# Altium PCB uStepper.PcbDoc (part 1 of 2) (continued)
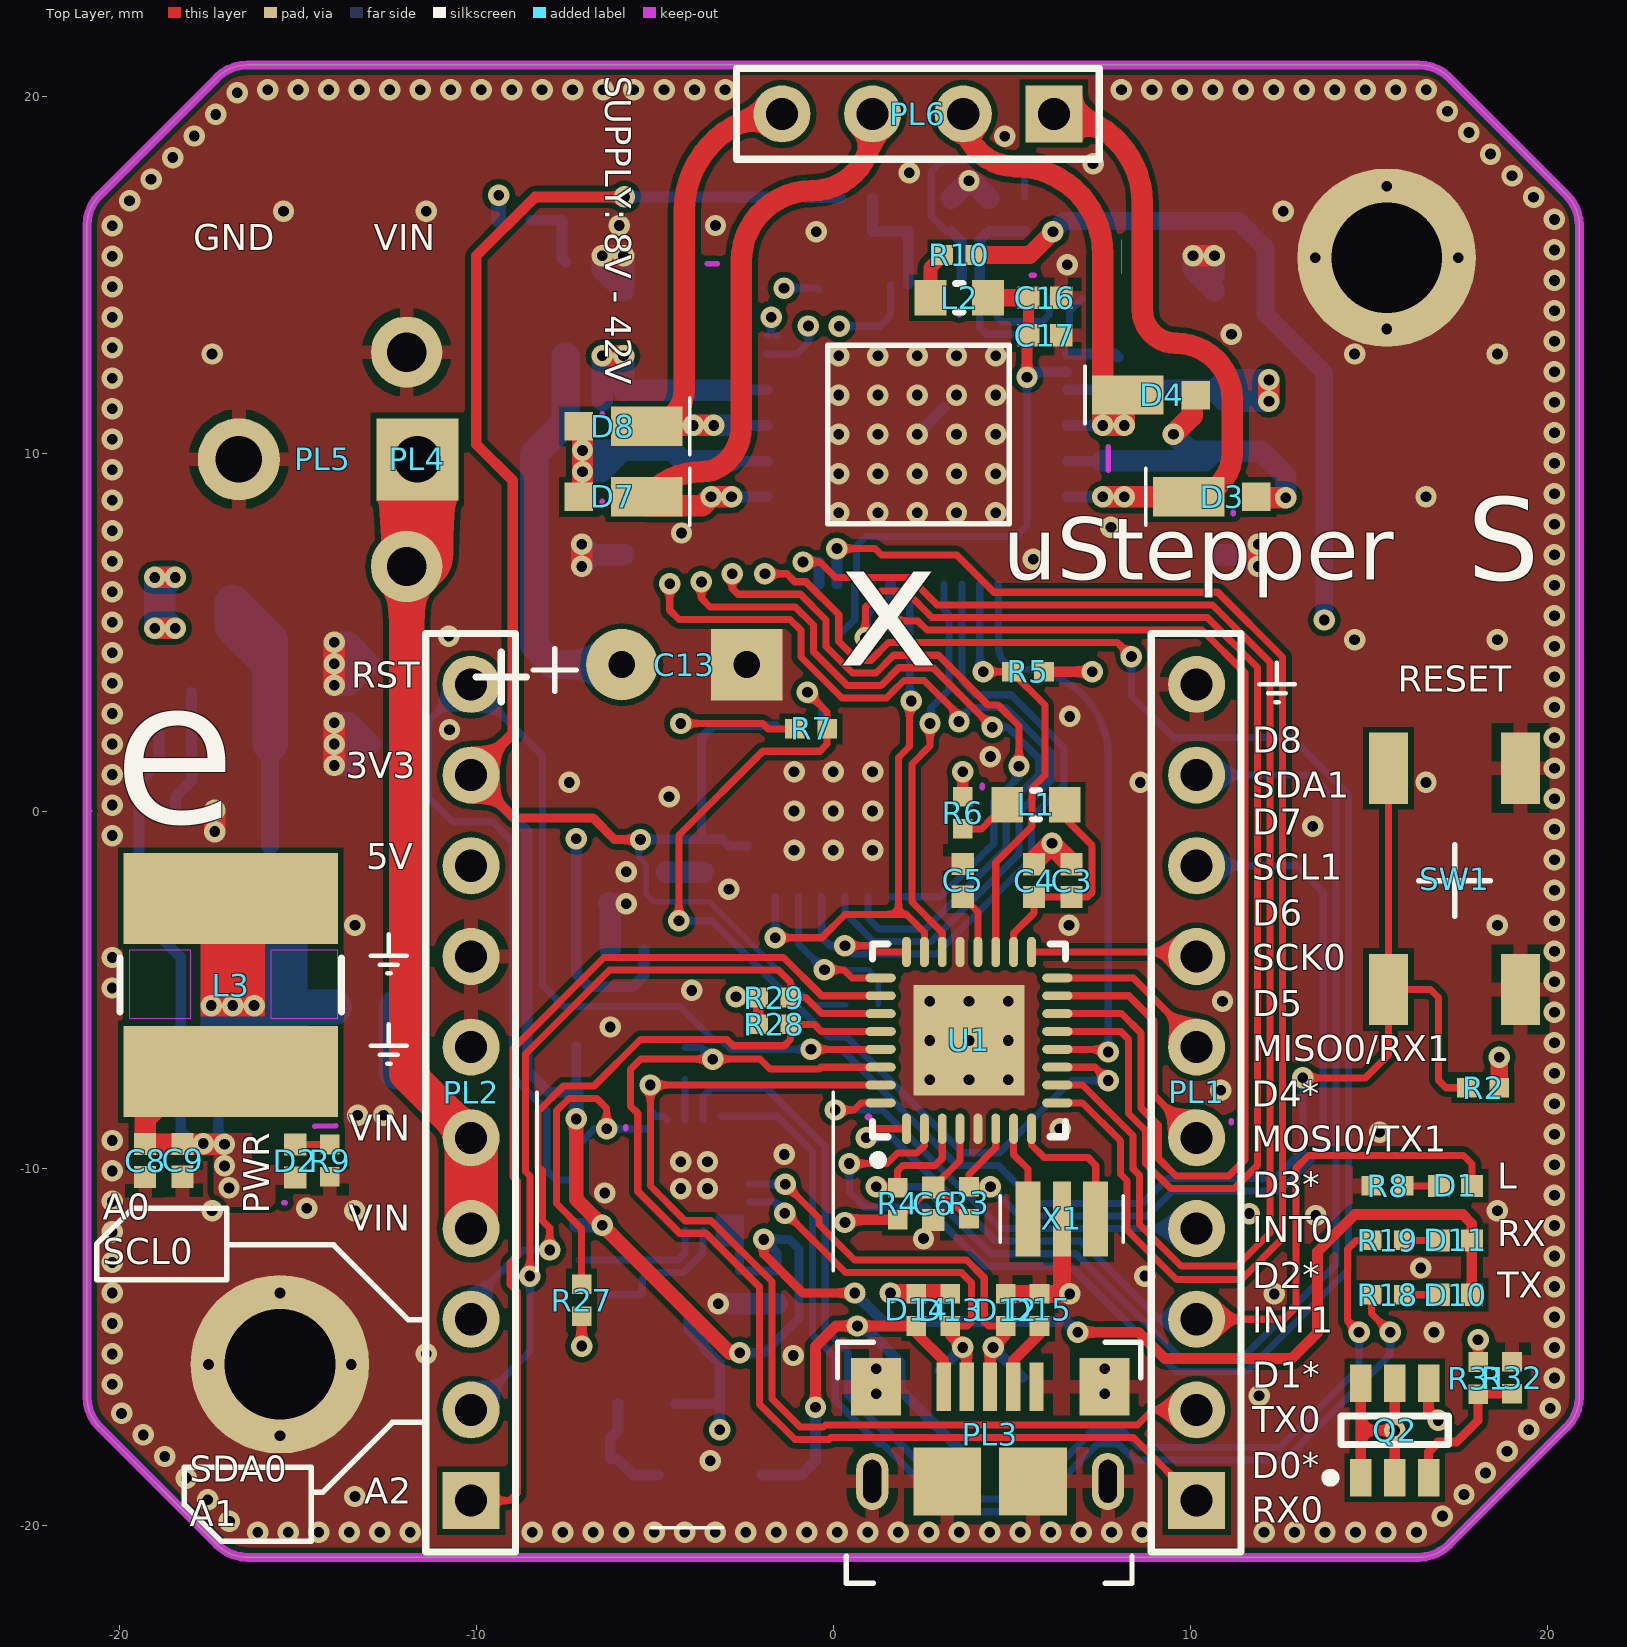
[diagram p0: Top Layer view]
## Design rules (kind name [scope] priority, off if disabled: settings)
AssemblyTestPointUsage SilkToBoardRegionClearance_1 [All] p2:
BoardOutlineClearance [All] p1: gap=0.25 ignorepadtopadclearanceinfootprint=FALSE
Clearance Clearance_Inner [(OnLayer('Top Layer') OR OnLayer('Bottom Layer'))] p1: gap=0.152 ignorepadtopadclearanceinfootprint=FALSE
Clearance [All] p2: gap=0.18 ignorepadtopadclearanceinfootprint=FALSE
ComponentClearance [All] p1: gap=-100 collisioncheckmode=3 verticalgap=0.254 showdistances=FALSE
DiffPairsRouting [All] p1: maxlimit=0.254 minlimit=0.153 mostfreqgap=0.254 toplayer_maxgap=0.153 toplayer_prefgap=0.153 toplayer_minwidth=0.2 toplayer_maxwidth=0.5 toplayer_prefwidth=0.275 midlayer1_mingap=0.254 midlayer1_minwidth=0.2 midlayer1_maxwidth=0.5 midlayer1_prefwidth=0.381 bottomlayer_maxgap=0.153 bottomlayer_prefgap=0.153 bottomlayer_minwidth=0.2 bottomlayer_maxwidth=0.5 bottomlayer_prefwidth=0.275 maxuncoupledlength=12.7
HoleSize [All] p1: absolutevalues=TRUE maxlimit=6.35 minlimit=0.3 maxpercent=80.000 minpercent=20.000
MatchedLengths DiffPair_DIFF100MatchedLengths [InDifferentialPairClass('DIFF100')] p1: tolerance=0.152 checknetsindiffpair=TRUE checkdiffpairvsdiffpair=FALSE checkxsignals=FALSE checkothers=FALSE
MinimumAnnularRing MinimumAnnularRing_1 [All] p1: minimumring=0.145
MinimumSolderMaskSliver "SMT min Solder Mask Width" [All] p1 off: minsoldermaskwidth=0.13
PlaneClearance [All] p1: clearance=0.3
PlaneConnect Via [isVia] p1: planeconnectstyle=Direct reliefexpansion=0.508 reliefentries=4 reliefconductorwidth=0.254 reliefairgap=0.254
PlaneConnect C13GND [(InComponent('C13') AND InNet('GND'))] p2: planeconnectstyle=Direct reliefexpansion=0.508 reliefentries=4 reliefconductorwidth=0.254 reliefairgap=0.254
PlaneConnect VINPROTECT [InNet('VIN_PROTECT')] p3: planeconnectstyle=Relief reliefexpansion=0.508 reliefentries=4 reliefconductorwidth=0.5 reliefairgap=0.254
PlaneConnect [(InComponentClass('All Components'))] p4: planeconnectstyle=Relief reliefexpansion=0.508 reliefentries=4 reliefconductorwidth=0.5 reliefairgap=0.254
PlaneConnect "Corner pads" [All] p5: planeconnectstyle=Direct reliefexpansion=0.508 reliefentries=4 reliefconductorwidth=0.254 reliefairgap=0.254
PolygonConnect C13GND1 [(InComponent('C13') AND InNet('GND'))] p1: connectstyle=Direct reliefconductorwidth=0.254 reliefentries=4 polygonreliefangle="90 Angle" airgapwidth=0.254
PolygonConnect PolygonConnect_VIN [InNet('VIN')] p2: connectstyle=Direct reliefconductorwidth=1.75 reliefentries=4 polygonreliefangle="90 Angle" airgapwidth=0.35
PolygonConnect PolygonConnect_IC [(InComponent('U1') OR InComponent('U2') OR InComponent('U3') OR InComponent('U4') OR InComponent('U5') OR InComponent('U6'))] p3: connectstyle=Direct reliefconductorwidth=0.254 reliefentries=4 polygonreliefangle="90 Angle" airgapwidth=0.254
PolygonConnect PolygonConnect_Via [IsVia] p4: connectstyle=Direct reliefconductorwidth=0.254 reliefentries=4 polygonreliefangle="90 Angle" airgapwidth=0.254
PolygonConnect [(InComponentClass('All Components'))] p5: connectstyle=Relief reliefconductorwidth=0.4 reliefentries=4 polygonreliefangle="90 Angle" airgapwidth=0.254
PolygonConnect "GND corner pads" [All] p6: connectstyle=Direct reliefconductorwidth=0.254 reliefentries=4 polygonreliefangle="90 Angle" airgapwidth=0.254
RoutingVias [All] p1: holewidth=0.3 width=0.6 viastyle="Through Hole" minholewidth=0.3 minwidth=0.4 maxholewidth=5 maxwidth=10
SilkToBoardRegionClearance SilkToBoardRegionClearance_1_1 [All] p1:
SilkToBoardRegionClearance [All] p2:
SilkToSilkClearance [All] p1 off: silktosilkclearance=0.254
SilkToSolderMaskClearance SilkToSolderMaskClearance_1_1 [IsPad] p1: minsilkscreentomaskgap=0.178 clearancetoexposedcopper=TRUE
SolderMaskExpansion [All] p1: expansion=0.102
Width [All] p1: maxlimit=2.54 minlimit=0.152 preferedwidth=0.2
21 further rules are at their usual default settings.

## Classes and differential pairs
component class U_Main: PL1 PL2 PL4 PL5 Q1 R1 R20
component class U_encoder: C1 C2 C23 R30 U3
component class U_MCU+IO: C3 C4 C5 C6 D1 L1 LD1 R2 R3 R4 R5 R6 R7 R8 R28 R29 SW1 U1 X1
component class U_Power: C7 C8 C9 C10 C18 C19 C20 C21 C36 C37 D2 D5 D6 D16 L3 LD4 R9 R11 R12 R25 U2 U4
component class U_Stepper_control: C11 C12 C13 C14 C15 C16 C17 C22 C25 C26 C27 C28 C30 C33 C34 C? D3 D4 D7 D8 L2 PL6 R10 R13 R14 R21 R22 R23 R24 U5
component class U_USB: C24 C29 C31 C32 C35 D10 D11 D12 D13 D14 D15 F1 L4 LD2 LD3 PL3 Q2 R15 R16 R17 R18 R19 R26 R27 R31 R32 TP1 TP2 TP3 U6
differential pair USB: +USB_P -USB_N

## Components (designator, comment, footprint, x,y, rotation, side; value= is the part's Value field where it differs from the comment)
C1 "10uF 0402 6V3" CAP_0402 -4.675,-1.25 r90 bottom value=10uF
C2 "100 nF 50 V" CAP_0402 -4.15,1.575 r180 bottom value=100nF
C3 "1uF 0402 10V" CAP_0402 6.675,-1.95 r270 top value="1 uF"
C4 "100 nF 50 V" CAP_0402 5.625,-1.95 r90 top value=100nF
C5 "100 nF 50 V" CAP_0402 3.625,-1.94 r90 top value=100nF
C6 "100 nF 50 V" CAP_0402 2.8,-11 r270 top value=100nF
C7 "100 nF 50 V" CAP_0402 -16.75,-3.225 r0 bottom value=100nF
C8 "10uF 0402 6V3" CAP_0402 -19.275,-9.79 r90 top value=10uF
C9 "10uF 0402 6V3" CAP_0402 -18.225,-9.785 r90 top value=10uF
C10 "100 nF 50 V" CAP_0402 -6.75,-2.575 r0 bottom value=100nF
C11 "100 nF 50 V" CAP_0402 9.025,12.25 r90 bottom value=100nF
C12 "100 nF 50 V" CAP_0402 -3.125,12.25 r90 bottom value=100nF
C13 "180uF 50V" "Capacitor 8x22" -4.175,4.1 r180 top locked value=180uF
C14 "100 nF 50 V" CAP_0402 7.975,12.25 r270 bottom value=100nF
C15 "100 nF 50 V" CAP_0402 -0.325,4.9 r180 bottom value=100nF
C16 "1uF 0402 10V" CAP_0402 5.925,14.375 r180 top value="1 uF"
C17 "100 nF 50 V" CAP_0402 5.925,13.325 r0 top value=100nF
C18 "10uF 1206 50V" CAP_1206 -14.375,4.125 r180 bottom value=10uF
C19 "10uF 1206 50V" CAP_1206 -14.375,1.875 r180 bottom value=10uF
C20 "1uF 0402 10V" CAP_0402 -6.75,-1.525 r180 bottom value="1 uF"
C21 "1uF 0402 10V" CAP_0402 -6.75,-7.875 r180 bottom value="1 uF"
C22 "22nF 0402 50V" CAP_0402 6.515,14.35 r0 bottom value=22nF
C23 "100 nF 50 V" CAP_0402 -3.625,-1.25 r270 bottom value=100nF
C24 "100 nF 50 V" CAP_0402 -7.2,-9.875 r90 bottom value=100nF
C25 "100 nF 50 V" CAP_0402 -4.225,9.35 r270 bottom value=100nF
C26 "100 nF 50 V" CAP_0402 8.925,9.35 r270 bottom value=100nF
C27 "10uF 1206 50V" CAP_1206 -5.875,13.175 r90 bottom value=10uF
C28 "10uF 1206 50V" CAP_1206 10.675,13.175 r90 bottom value=10uF
C29 "100 nF 50 V" CAP_0402 -2.623,-13.34 r270 bottom value=100nF
C30 "1uF 0402 10V" CAP_0402 4.35,16.7 r270 bottom value="1 uF"
C31 "10uF 0402 6V3" CAP_0402 -2.725,-16.6 r180 bottom value=10uF
C32 "100 nF 50 V" CAP_0402 -6.25,-18.6 r270 bottom value=100nF
C33 "100 nF 50 V" CAP_0402 2.1,16.7 r90 bottom value=100nF
C34 "10uF 0402 6V3" CAP_0402 3.3,16.7 r270 bottom value=10uF
C35 "10uF 0402 6V3" CAP_0402 -1.573,-13.34 r90 bottom value=10uF
C36 "430pF 0805 50V" CAP_0805 -13.1,-5.5 r0 bottom value=430pF
C37 "20pF 0402 50V" CAP_0402 -18.425,1.375 r0 bottom value=20pF
D1 "GREEN LED" "0402 LED" 17.425,-10.5 r180 top
D2 "GREEN LED" "0402 LED" -15.073,-9.801 r90 top
D3 "V2P6-M3/H" MicroSMP 10.55,8.8 r0 top
D4 "V2P6-M3/H" MicroSMP 8.85,11.65 r0 top
D5 "1N4148WTR" SODFL371X135-2N -17.225,-6.4 r270 bottom
D6 "V2P6-M3/H" MicroSMP -15.4,-6.35 r270 bottom
D7 "V2P6-M3/H" MicroSMP -5.825,8.8 r180 top
D8 "V2P6-M3/H" MicroSMP -5.825,10.775 r180 top
D10 "GREEN LED" "0402 LED" 17.425,-13.55 r180 top
D11 "GREEN LED" "0402 LED" 17.425,-12.025 r180 top
D12 "TVS" RES_0402 4.825,-13.975 r270 top
D13 "TVS" RES_0402 3.275,-13.975 r270 top
D14 "TVS" RES_0402 2.325,-13.975 r270 top
D15 "TVS" RES_0402 5.775,-13.975 r270 top
D16 "V2P6-M3/H" MicroSMP -17.43,5.832 r180 bottom
F1 "PTC 250mA Hold" "PTC Fuse 1206" -3.45,-18.6 r0 bottom
L1 "180 Ohms @ 100MHz" IND_0603 5.675,0.175 r0 top value="180 Ohm"
L2 "180 Ohms @ 100MHz" IND_0603 3.525,14.375 r0 top value="180 Ohm"
L3 "22uH" NR6028T220M -16.875,-4.875 r270 top value="22 uH"
L4 "180 Ohms @ 100MHz" IND_0603 -5.225,-16.6 r180 bottom value="180 Ohm"
PL1 "2.54mm" "10-pin female 2.54mm" 10.175,-7.884 r90 top locked
PL2 "2.54mm" "10-pin female 2.54mm" -10.145,-7.884 r90 top locked
PL3 "Micro USB" "10118193-0001LF Micro USB" 4.39,-17.45 r0 top locked
PL4 "2pin Terminal block 5.08mm" "5mm header" -14.15,9.85 r180 top locked
PL5 "PJ-102AH" PJ-102AH -14.3,9.85 r270 top locked
PL6 "2.54mm" "4-pin 2.54mm header" 2.37,19.525 r180 top
Q1 "CPH6354" SOT95P280X95-6N -8.45,14.05 r270 bottom
Q2 "CPH6354" SOT95P280X95-6N 15.723,-17.348 r90 top
R1 "10k 0402" RES_0402 -8.925,16.55 r180 bottom value=10k
R2 "10k 0402" RES_0402 18.2,-7.75 r0 top value=10k
R3 "4k7 0402" RES_0402 3.8,-10.975 r270 top value=4k7
R4 "4k7 0402" RES_0402 1.8,-11 r270 top value=4k7
R5 "4k7 0402" RES_0402 5.45,3.9 r0 top value=4k7
R6 "10R 0402" RES_0402 3.625,-0.05 r270 top value=10R
R7 "4k7 0402" RES_0402 -0.625,2.3 r180 top value=4k7
R8 "52k3 0402" RES_0402 15.525,-10.5 r0 top value=52k3
R9 "52k3 0402" RES_0402 -14.107,-9.79 r90 top value=52k3
R10 "10R 0402" RES_0402 3.525,15.575 r0 top value=10R
R11 "52k3 0402" RES_0402 -18.425,2.375 r180 bottom value=52k3
R12 "10k 0402" RES_0402 -18.425,3.325 r0 bottom value=10k
R13 "CSR1206FTR100" RES_1206 10.675,8.625 r90 bottom value=0R1
R14 "CSR1206FTR100" RES_1206 -5.875,8.625 r90 bottom value=0R1
R15 "22k 0402" RES_0402 -4.9,-13.55 r0 bottom value=22k
R16 "47k 0402" RES_0402 -6.75,-13.55 r0 bottom value=47k
R17 "1k 0402" RES_0402 -7.2,-12.05 r90 bottom value=1k
R18 "47k 0402" RES_0402 15.525,-13.55 r180 top value=47k
R19 "47k 0402" RES_0402 15.525,-12.025 r180 top value=47k
R20 "4k7 0402" RES_0402 -7.15,16.55 r180 bottom value=4k7
R21 "47k 0402" RES_0402 0.65,16.225 r180 bottom value=47k
R22 "22k 0402" RES_0402 0.65,17.175 r180 bottom value=22k
R23 "10k 0402" RES_0402 -1.2,17.175 r0 bottom value=10k
R24 "10R 0402" RES_0402 5.35,16.7 r90 bottom value=10R
R25 "680R 0805" RES_0805 -13.1,-7.3 r0 bottom value=680R
R26 "4k7 0402" RES_0402 -4.15,-7.075 r90 bottom value=4k7
R27 "10k 0402" RES_0402 -7.05,-13.7 r270 top value=10k
R28 "4k7 0402" RES_0402 -1.65,-5.975 r180 top value=4k7
R29 "4k7 0402" RES_0402 -1.65,-5.225 r180 top value=4k7
R30 "10k 0402" RES_0402 0.802,-5.42 r180 bottom value=10k
R31 "10k 0402" RES_0402 18.059,-15.882 r270 top value=10k
R32 "10k 0402" RES_0402 19.01,-15.875 r90 top value=10k
SW1 "TACTB-64K-F" TACTB-64K-F 17.4,-1.9 r90 top
TP1 "TestPoint" 1x0mm 3.977,-18.227 r90 bottom locked
TP2 "TestPoint" 1x0mm 2.725,-15.934 r90 bottom locked
TP3 "TestPoint" 1x0mm 5.516,-15.934 r90 bottom locked
U1 "ATmega328PB" QFN50P500X500X90_HS-33N 3.8,-6.425 r90 top
U2 "MCP16331" SOT95P280X145-6N -17.1,-0.975 r0 bottom
U3 "AEAT-8800-Q24" AEAT-8800-Q24 0,0 r180 bottom locked
U4 "MIC5504-3.3YM5-TR" SOT95P280X130-5N -6.25,-5.225 r270 bottom
U5 "TMC5130A-TA-T" TSQFP50P900X900X120_HS-49N 2.35,10.55 r90 bottom locked
U6 "CP2102N" QFN50P300X300X80_HS-21N -3.9,-10.2 r180 bottom locked
X1 "16 MHz" CSTCE16XTAL 6.4,-11.425 r0 top

## Footprints (in the part's own frame and the unit in brackets; to place one, negate y for a bottom-side part, rotate by r counter-clockwise, add the part's x,y. Pads: shape width x height; smd on the part's side, far side on the other; paste and mask are expansions set on the pad)
1x0mm [mm] "Testpoint with 1mm pad and no hole"
  round 1 smd: 1(0,0)
"4-pin 2.54mm header" [mm]
  rect 1.6x1.6 hole 0.9: 1(-3.81,0)
  round 1.6 hole 0.9: 2(-1.27,0) 3(1.27,0) 4(3.81,0)
  silkscreen extent -5.08,-1.27 5.08,1.27, body extent -5.08,-1.27 5.08,1.27, height 9.5
"5mm header" [mm] "Screw terminal 2-way"
  rect 2.3x2.3 hole 1.3: 1(-2.5,0)
  body extent -5.57,-3.8 4.97,4.4, height 10
"10-pin female 2.54mm" [mm]
  rect 1.6x1.6 hole 0.9: 1(-11.43,0)
  round 1.6 hole 0.9: 2(-8.89,0) 3(-6.35,0) 4(-3.81,0) 5(-1.27,0) 6(1.27,0) 7(3.81,0) 8(6.35,0) 9(8.89,0) 10(11.43,0)
  silkscreen extent -12.87,-1.24 12.85,1.27, body extent -12.97,-1.22 12.94,1.26, height 8.61
"0402 LED" [mm]
  rect 0.62x0.62 smd: 1(-0.46,0) 2(0.46,0)
  body extent -0.5,-0.25 0.5,0.25, height 0.16
"10118193-0001LF Micro USB" [mm] "CONN USB MICRO B RECPT SMT R/A"
  rect 0.4x1.35 smd: 1(-1.3,1.325) 2(-0.65,1.325) 3(0,1.325) 4(0.65,1.325) 5(1.3,1.325)
  rect 1.4x1.6 smd: 6(-3.2,1.325) 7(3.2,1.325)
  rect 1.9x1.9 smd: 8(1.2,-1.325) 9(-1.2,-1.325)
  oval 0.9x1.6 hole 0.5 slot 1.2 at 90 deg: 10(3.3,-1.325) 11(-3.3,-1.325)
  silkscreen extent -4.27,-4.17 4.23,2.58, body extent -3.93,-4.1 3.93,1.56, height 2.78
AEAT-8800-Q24 [mm] "AEAT-8800-Q24 Encoder"
  oval 0.85x0.3 smd: 1(-2.4,1.625) 2(-2.4,0.975) 3(-2.4,0.325) 4(-2.4,-0.325) 5(-2.4,-0.975) 6(-2.4,-1.625) 13(2.4,-1.625) 14(2.4,-0.975) 15(2.4,-0.325) 16(2.4,0.325) 17(2.4,0.975) 18(2.4,1.625)
  oval 0.3x0.85 smd: 7(-1.625,-2.4) 8(-0.975,-2.4) 9(-0.325,-2.4) 10(0.325,-2.4) 11(0.975,-2.4) 12(1.625,-2.4) 19(1.625,2.4) 20(0.975,2.4) 21(0.325,2.4) 22(-0.325,2.4) 23(-0.975,2.4) 24(-1.625,2.4)
  rect 3.25x3.25 smd: 25(0,0)
  silkscreen extent -3.43,-2.65 2.65,2.65, body extent -2.5,-2.5 2.5,2.5, height 0.9
CAP_0402 [mm] "Chip Capacitor, 2-Leads, 0402, IPC Medium Density"
  rect 0.62x0.62 smd: 1(-0.46,0) 2(0.46,0)
  body extent -0.53,-0.28 0.53,0.28, height 0.4
CAP_0805 [mm] "Chip Capacitor, 2-Leads, 0805, IPC Medium Density"
  rect 1.15x1.4 smd: 1(-0.875,0) 2(0.875,0)
  body extent -1.1,-0.67 1.1,0.67, height 0.7
CAP_1206 [mm] "Chip Capacitor, 2-Leads, 1206, IPC Medium Density"
  rect 1.2x1.7 smd: 1(-1.4,0) 2(1.4,0)
  silkscreen extent -0.4,-0.75 0.4,0.75, body extent -1.63,-0.82 1.63,0.82, height 0.7
"Capacitor 8x22" [mm]
  round 2 hole 0.75: 1(1.75,0)
  rect 2x2 hole 0.75: 2(-1.75,0)
  silkscreen extent -4.18,-0.35 5.82,24.18, body extent -4,-0.3 4,24, height 8.1
CSTCE16XTAL [mm] "CSTCE16M0V53-R0"
  rect 0.7x2.1 smd: 1(-0.95,0) 3(0.95,0)
  rect 0.5x2.1 smd: 2(0,0)
  silkscreen extent -1.73,-0.65 1.73,0.65, body extent -1.6,-0.65 1.6,0.65, height 0.7
IND_0603 [mm] "Chip Inductor, 2-Leads, 0603, IPC Medium Density"
  rect 0.89x0.99 smd: 1(-0.805,0) 2(0.805,0)
  silkscreen extent -0.1,-0.4 0.1,0.4, body extent -0.87,-0.48 0.87,0.48, height 0.55
MicroSMP [mm] "MicroSMP, 2-Leads, Body 1,30x2,50mm, IPC Medium Density"
  rect 0.8x0.8 smd: 1(1.3,0)
  rect 2x1.1 smd: 2(-0.6,0)
  silkscreen extent -1.8,-0.8 -1.8,0.8, body extent -1.15,-0.7 1.15,0.7, height 0.73
NR6028T220M [mm]
  rect 2.55x6 smd: 1(-2.425,0) 2(2.425,0)
  silkscreen extent -0.75,-3.1 0.75,3.1, body extent -3.1,-3.1 3.1,3.1, height 2.8
PJ-102AH [mm]
  round 2 hole 1.1: 1(3,2.35)
  round 2 hole 1.1 mask+0.1: 2(-3,2.35)
  round 2.3 hole 1.3: 3(0,-2.35)
  body extent -10.72,-2.55 3.68,6.85, height 3
"PTC Fuse 1206" [mm]
  rect 1.1x1.9 smd: 1(-1.45,0) 2(1.45,0)
  silkscreen extent -0.5,-0.74 0.5,0.74, body extent -1.62,-0.82 1.63,0.83, height 0.4
QFN50P300X300X80_HS-21N [mm] "QFN, 20-Leads, Body 3,00x3,00mm, Pitch 0,50mm, Thermal Pad 1,70x1,70mm, IPC Medium Density"
  rect 0.3x0.3 smd: 1(-1.25,1.25) 6(-1.25,-1.25) 11(1.25,-1.25) 16(1.25,1.25)
  rect 0.9x0.3 smd: 2(-1.55,0.75) 3(-1.55,0.25) 4(-1.55,-0.25) 5(-1.55,-0.75) 12(1.55,-0.75) 13(1.55,-0.25) 14(1.55,0.25) 15(1.55,0.75)
  rect 0.3x0.9 smd: 7(-0.75,-1.55) 8(-0.25,-1.55) 9(0.25,-1.55) 10(0.75,-1.55) 17(0.75,1.55) 18(0.25,1.55) 19(-0.25,1.55) 20(-0.75,1.55)
  rect 1.8x1.8 smd: 21(0,0)
  silkscreen extent -2.07,1.83 -1.83,2.07, body extent -1.55,-1.55 1.55,1.55, height 0.8
QFN50P500X500X90_HS-33N [mm] "QFN, 32-Leads, Body 5,00x5,00mm, Pitch 0,50mm, Thermal Pad 3,10x3,10mm, IPC Medium Density"
  oval 0.85x0.25 smd: 1(-2.475,1.75) 2(-2.475,1.25) 3(-2.475,0.75) 4(-2.475,0.25) 5(-2.475,-0.25) 6(-2.475,-0.75) 7(-2.475,-1.25) 8(-2.475,-1.75) 17(2.475,-1.75) 18(2.475,-1.25) 19(2.475,-0.75) 20(2.475,-0.25) 21(2.475,0.25) 22(2.475,0.75) 23(2.475,1.25) 24(2.475,1.75)
  oval 0.25x0.85 smd: 9(-1.75,-2.475) 10(-1.25,-2.475) 11(-0.75,-2.475) 12(-0.25,-2.475) 13(0.25,-2.475) 14(0.75,-2.475) 15(1.25,-2.475) 16(1.75,-2.475) 25(1.75,2.475) 26(1.25,2.475) 27(0.75,2.475) 28(0.25,2.475) 29(-0.25,2.475) 30(-0.75,2.475) 31(-1.25,2.475) 32(-1.75,2.475)
  rect 3.1x3.1 smd: 33(0,0)
  silkscreen extent -3.47,-2.7 2.7,2.7, body extent -2.55,-2.55 2.55,2.55, height 0.9
RES_0402 [mm] "Chip Resistor, 2-Leads, 0402, IPC Medium Density"
  rect 0.55x0.55 smd: 1(-0.45,0) 2(0.45,0)
  body extent -0.52,-0.27 0.53,0.28, height 0.4
RES_0805 [mm] "Chip Resistor, 2-Leads, 0805, IPC Medium Density"
  rect 1.15x1.35 smd: 1(-0.875,0) 2(0.875,0)
  body extent -1.1,-0.67 1.1,0.67, height 0.7
RES_1206 [mm] "Chip Resistor, 2-Leads, 1206, IPC Medium Density"
  rect 1.1x1.69 smd: 1(-1.45,0) 2(1.45,0)
  silkscreen extent -0.5,-0.74 0.5,0.74, body extent -1.63,-0.82 1.63,0.82, height 0.7
SODFL371X135-2N [mm] "SODFL, 2-Leads, Body 1,60x3,71mm, IPC Medium Density"
  rect 0.75x0.5 smd: 1(1.8,0) 2(-1.8,0)
  silkscreen extent -2.12,-0.9 1.4,0.9, body extent -1.88,-0.85 1.88,0.85, height 1.2
SOT95P280X95-6N [mm] "SOT23, 6-Leads, Body 2,90x2,80mm, Pitch 0,95mm, IPC Medium Density"
  rect 1.05x0.6 smd: 1(-1.325,0.95) 2(-1.325,0) 3(-1.325,-0.95) 4(1.325,-0.95) 5(1.325,0) 6(1.325,0.95)
  silkscreen extent -1.45,-1.5 0.4,1.92, body extent -0.8,-1.5 0.8,1.5, height 0.95
SOT95P280X130-5N [mm] "SOT23, 5-Leads, Body 2,90x2,80mm, Pitch 0,95mm, IPC Medium Density"
  rect 1x0.6 smd: 1(-1.35,0.95) 2(-1.35,0) 3(-1.35,-0.95) 4(1.35,-0.95) 5(1.35,0.95)
  silkscreen extent -1.47,-1.5 0.45,1.92, body extent -0.85,-1.5 0.85,1.5, height 1.3
SOT95P280X145-6N [mm] "SOT23, 6-Leads, Body 2,90x2,80mm, Pitch 0,95mm, IPC Medium Density"
  rect 1.05x0.6 smd: 1(-1.325,0.95) 2(-1.325,0) 3(-1.325,-0.95) 4(1.325,-0.95) 5(1.325,0) 6(1.325,0.95)
  silkscreen extent -1.45,-1.45 0.4,1.92, body extent -0.8,-1.45 0.8,1.45, height 1.45
TACTB-64K-F [mm] "Tactile switch"
  rect 2x1.1 smd: 1(-3.1,1.85) 2(3.1,1.85) 3(-3.1,-1.85) 4(3.1,-1.85)
  silkscreen extent -1.05,-1 0.95,1, body extent -3.32,-2.67 3.23,2.68, height 1.6
TSQFP50P900X900X120_HS-49N [mm] "TSQFP, 48-Leads, Body 7,00x7,00mm, Pitch 0,50mm, Thermal Pad 5,10x5,10mm, IPC Medium Density"
  rect 1.4x0.3 smd: 1(-4.2,2.75) 2(-4.2,2.25) 3(-4.2,1.75) 4(-4.2,1.25) 5(-4.2,0.75) 6(-4.2,0.25) 7(-4.2,-0.25) 8(-4.2,-0.75) 9(-4.2,-1.25) 10(-4.2,-1.75) 11(-4.2,-2.25) 12(-4.2,-2.75) 25(4.2,-2.75) 26(4.2,-2.25) 27(4.2,-1.75) 28(4.2,-1.25) 29(4.2,-0.75) 30(4.2,-0.25) 31(4.2,0.25) 32(4.2,0.75) 33(4.2,1.25) 34(4.2,1.75) 35(4.2,2.25) 36(4.2,2.75)
  rect 0.3x1.4 smd: 13(-2.75,-4.2) 14(-2.25,-4.2) 15(-1.75,-4.2) 16(-1.25,-4.2) 17(-0.75,-4.2) 18(-0.25,-4.2) 19(0.25,-4.2) 20(0.75,-4.2) 21(1.25,-4.2) 22(1.75,-4.2) 23(2.25,-4.2) 24(2.75,-4.2) 37(2.75,4.2) 38(2.25,4.2) 39(1.75,4.2) 40(1.25,4.2) 41(0.75,4.2) 42(0.25,4.2) 43(-0.25,4.2) 44(-0.75,4.2) 45(-1.25,4.2) 46(-1.75,4.2) 47(-2.25,4.2) 48(-2.75,4.2)
  rect 5.1x5.1 smd: 49(0,0)
  silkscreen extent -4.32,-3.1 3.1,3.58, body extent -3.5,-3.5 3.5,3.5, height 1.2

## Part data
C1 C8 C9 C31 C34 C35: library part CMP-00011-3, "10uF 20% 0402 6V3 X6S", Current Rating=-, Tolerance=20%, Voltage=6V3
C2 C4 C5 C6 C7 C10 C11 C12 C14 C15 C17 C23 C24 C25 C26 C29 C32 C33: library part CMP-00088-2, "Multilayer Ceramic Capacitors MLCC - SMD/SMT .1uF 50Volts X7R +/-10% 0402 STD", Capacitance=100nF, Case/Package=0402, Case Code (Metric)=1005, Dielectric=X7R, Max Operating Temperature=125°C, Min Operating Temperature=-55°C, Package Quantity=10000, Tolerance=10%, Voltage="50 V", Voltage Rating=50V, Case Code (Imperial)=0402, Halogen Free="Halogen Free", Height=0.5mm, Lead Free="Lead Free", Length=0.039inch, Mount="Surface Mount", Packaging="Tape and Reel", Termination=SMD/SMT, Thickness=0.022inch, Voltage Rating (DC)=50V, Width=0.5mm
C3 C16 C20 C21 C30: library part CMP-00032-5, "1uF 0402 10V 10% X5R", Capacitance=1uF, Case/Package=0402, Case Code (Metric)=1005, Dielectric=X5R, Max Operating Temperature=85°C, Min Operating Temperature=-55°C, Package Quantity=1, Tolerance=10%, Voltage="10 V", Voltage Rating=10V, Case Code (Imperial)=0402, Contact Plating=Tin, Depth=0.5mm, Height=0.5mm, Length=1mm, Material=Ceramic, Mount="Surface Mount", Packaging="Tape and Reel", Radiation Hardening=No, Thickness=0.022inch, Width=0.02inch
C13: library part CMP-002-0003-4, "180UF 20% 50V 105DEG RADIAL", Case/Package=-, Tolerance=20%
C18 C19 C27 C28: library part CMP-00030-4, "10uF 1206 50V X5R 20%", Tolerance="+/- 20%", Voltage="50 V"
C22: library part CMP-00045-5, "22nF 0402 50V X7R 10%", Mfg. Part Number=GRM155R71H223KA12D, Tolerance=10%, Voltage=50V
C36: library part CMP-00058-4, "CAP CER 430PF 50V C0G/NP0 0805", Mfg. Part Number=CL21C431JBANNNC, Tolerance=5%, Voltage=50V
C37: library part CMP-00049-4, "20pF 0402 50V C0G 5%", Mfg. Part Number=GRM1555C1H200JA01D, Tolerance=5%, Voltage="50 V"
D1 D2 D10 D11: library part CMP-008-0001-2, "0402 SMD LED", Mfg. Part Number=LTST-C281KGKT
D3 D4 D6 D7 D8 D16: library part CMP-016-0002-2, "DIODE SCHOTTKY 60V 2A MICROSMP"
D5: library part CMP-016-0003-2, "DIODE GEN PURP 75V 250MA SOD123"
D12 D13 D14 D15: library part CMP-016-0004-2, "TVS DIODE 12VC 8A IPP 0402", Mfg. Part Number=GG040205100N2P
F1: library part CMP-017-0000-3, "PTC RESET FUSE 24V 250MA 1206", Case/Package=1206, Mfg. Part Number=0ZCJ0025AF2E, Mount=SMD, Pins=2, RoHS=Yes
L1 L2 L4: library part CMP-ROOT-0005-2, "FERRITE BEAD 180 OHM 0603 1LN", Case/Package=0603, Current=1.5A, Mfg. Part Number=BLM18PG181SN1D
L3: library part CMP-007-0002-3, "FIXED IND 22UH 1.4A 175.5 MOHM", Case/Package=-, Current="1.4 A", Mfg. Part Number=NR6028T220M, FootprintName1=NR6028T220M, FootprintRevisionID1=PCC-0032-1
PL1 PL2: library part CMP-003-0004-2, "Pin header 10-pin 2.54mm female", Mfg. Part Number=DS1023-1*10S21
PL3: library part CMP-003-0000-3, "CONN USB MICRO B RECPT SMT R/A", Mfg. Part Number=10118193-0001LF
PL4: library part CMP-003-0002-2, "PCB terminal block, angled 90°; 5mm, 2-way, 1.5mm2", Mfg. Part Number=DG301-5.0-02P-11-00A(H)
PL5: library part CMP-003-0001-3, "CONN PWR JACK 2X5.5MM SOLDER", Mfg. Part Number=PJ-102AH
PL6: library part CMP-003-0003-3, "Pin header 4-pin 2.54mm male", Mfg. Part Number=DS1021-1*4SF1-1
Q1 Q2: library part CMP-014-0006-2, "MOSFET P-CH 60V 4A CPH6", Mfg. Part Number=CPH6354-TL-W
R1 R2 R12 R23 R27 R30 R31 R32: library part CMP-001-0019-3, "RES SMD 10K OHM 1% 1/16W 0402", Case/Package=0402, Mfg. Part Number=RMCF0402FT10K0, Power="1/16 W", Tolerance="1 %"
R3 R4 R5 R7 R20 R26 R28 R29: library part CMP-001-0029-3, "RES SMD 4.7K OHM 1% 1/16W 0402", Case/Package=0402, Mfg. Part Number=RC1005F472CS, Power=1/16W, Tolerance=1
R6 R10 R24: library part CMP-001-0033-3, "RES SMD 10 OHM 1% 1/16W 0402", Case/Package=0402, Mfg. Part Number=0402WGF100JTCE, Power=63mW, Tolerance=1%
R8 R9 R11: library part CMP-001-0018-3, "RES SMD 52.3K OHM 1% 1/16W 0402", Case/Package=0402, Mfg. Part Number=RC0402FR-0752K3L, Power="1/16 W", Tolerance="1 %"
R13 R14: library part CMP-001-0024-3, "RES 0.1 OHM 1% 1/2W 1206", Case/Package=1206, Power=0.5W, Tolerance=1%, Mfg. Part Number=CSR1206FTR100
R15 R22: library part CMP-001-0026-3, "RES SMD 22K OHM 1% 1/16W 0402", Case/Package=0402, Mfg. Part Number=RMCF0402FT22K0, Power=1/16W, Tolerance=1%
R16 R18 R19 R21: library part CMP-001-0027-3, "RES SMD 47K OHM 1% 1/16W 0402", Case/Package=0402, Mfg. Part Number=RMCF0402FT47K0, Power=1/16W, Tolerance=1%
R17: library part CMP-001-0025-3, "RES SMD 1K OHM 1% 1/16W 0402", Case/Package=0402, Mfg. Part Number=CRG0402F1K0, Power=1/16W, Tolerance=1%
R25: library part CMP-001-0036-3, "RES SMD 680 OHM 1% 1/8W 0805", Case/Package=0805, Mfg. Part Number=RC0805FR-07680RL, Power=1/8W, Tolerance=1%
SW1: library part CMP-013-0002-1, "Microswitch TACT; SPST-NO; Positions:2; 0.05A/12VDC;", Case/Package=-, Mfg. Part No.=TACTB-64K-F, Mount=SMD, Pins=4, RoHS=Yes
TP1 TP2 TP3: library part CMP-ROOT-0006-0.0, "Testpoint"
U1: library part CMP-011-0001-4, "IC MCU 8BIT 32KB FLASH 32TQFP", Case/Package=QFN-32, Mount=SMD, Pins=32, RoHS=Yes
U2: library part CMP-00029-4, "High-Voltage Input Integrated Switch Step-Down Regulator"
U3: library part CMP-00040-3, "16-BIT PROG ANG ENCODER", Mfg. Part Number=AEAT-8800-Q24
U4: library part CMP-00031-4, "LDO Voltage Regulators Single 300mA"
U5: library part CMP-00034-3, "IC MOTOR CTLR/DVR SPI 48QFP", Mfg. Part Number=TMC5130A-TA-T
U6: library part CMP-00038-5, "IC BRIDGE USB TO UART 20QFN", Mfg. Part Number=CP2102N-A01-GQFN20
X1: library part CMP-015-0002-4, "CER RES 16.0000MHZ 15PF SMD", Case/Package=-, Mfg. Part Number=CSTCE16M0V53-R0, FootprintDescription1=CSTCE16M0V53-R0, FootprintName1=CSTCE16XTAL, FootprintRevisionID1=PCC-0038-1, Mount=SMD, Pins=3, RoHS=Yes

## Free pads (board coordinates)
  round 5 hole 3.1 unplated paste+0 mask+0.102: 1(15.5,15.5) 3(-15.5,-15.5)
  oval 0.9x1.6 on Top Paste: 4(1.082,-18.755) 5(7.686,-18.781)

## Via types
v1: diameter 0.6, hole 0.3, Top Layer to Bottom Layer, tented both sides, 392 vias

## Nets (pads, with @x,y where several pads share a name; then routed paths per layer and width w, separated by ;. In a path a pad name is that pad's centre, name@x,y a point inside that pad or via, vN(x,y) a via of type N, cw(c..) or ccw(c..) an arc to the next point about the centre after c; other vN are vias at no path point)
3V3: C1.2 C2.1 C21.2 C23.1 C29.1 C35.2 D10.1 D11.1 PL2.9 R17.2 R23.1 R30.2 U3.14 U3.19 U4.5 U6.6 U6.7 | length 103.7
  Top Layer w0.254: PL2.9@-10.145,1.006 -8.943,-0.196 -6.729,-0.196 -6.125,-0.8 v1(-5.4,-0.8) ; v1(-1.95,-12) -1.95,-12.401 -0.851,-13.5 v1(0.6,-13.5)
  Top Layer w0.3: PL2.9@-10.145,1.006 -8.975,2.176 -8.975,9.25 -10,10.275 -10,15.55 -8.35,17.2 v1(-5.85,17.2) ; v1(6.85,-14.6) 8.55,-14.6 9.286,-15.336 12.843,-15.336 13.564,-14.616 13.564,-12.344 14.605,-11.303 17.628,-11.303 17.885,-11.56 D11.1@17.885,-12.025 D10.1@17.885,-13.55
  Top Layer w0.4: v1(-7.2,-8.625) -7.2,-10.875 -2.9,-15.175 v1(-2.625,-15.175)
  Bottom Layer w0.153: v1(-5.4,-0.8) -5.446,-0.846 -5.446,-1.305 -5.243,-1.509 -5.243,-2.321 -5.018,-2.546 -3.464,-2.546 -0.59,-5.42 R30.2@0.352,-5.42
  Bottom Layer w0.25: v1(-2.625,-15.175) -1.936,-15.175 -0.957,-14.197 -0.957,-12.277 -1.234,-12 v1(-1.95,-12)
  Bottom Layer w0.254: C21.2@-7.46,-7.875 C21.2@-7.45,-7.865 ; C21.2@-7.2,-7.865 U4.5@-7.2,-6.575 ; v1(-5.4,-0.8) -5.39,-0.79 C1.2@-4.675,-0.79 C23.1@-3.625,-0.79 ; U6.7@-3.15,-11.75 -2.925,-11.975 ; C29.1@-2.623,-12.88 U6.6@-2.623,-11.477 ; C29.1@-2.5,-12.88 C35.2@-1.573,-12.88 -1.573,-12.377 v1(-1.95,-12) ; U3.14@-2.4,-0.975 -2.925,-0.975 -3.11,-0.79 C23.1@-3.625,-0.79 ; U3.19@-1.625,2.4 -3.35,2.4 -3.69,2.06 C2.1@-3.69,1.575 -3.69,-0.725 C23.1@-3.625,-0.79
  Bottom Layer w0.3: PL2.9@-10.145,1.006 -8.575,-0.564 -8.575,-7.275 -7.975,-7.875 C21.2@-7.46,-7.875 ; v1(-5.85,17.2) -1.675,17.2 R23.1@-1.65,17.175 ; v1(0.6,-13.5) 0.923,-13.823 0.925,-13.823 1.277,-14.175 1.277,-14.177 1.4,-14.3 6.525,-14.3 v1@6.85,-14.625
  Bottom Layer w0.4: R17.2@-7.2,-11.6 v1(-6.475,-11.6) ; v1(-7.2,-8.625) C21.2@-7.2,-7.885
+5V: C6.1 C8.2 C9.2 C10.1 C20.2 C37.1 D2.1 D5.1 L3.2 PL2.8 Q2.4 R2.2 R3.2 R4.2 R5.2 R6.1 R7.2 R10.2 R11.2 R27.2 R28.2 R29.2 U1.4 U4.1 U4.3 | length 62.9
  Top Layer w0.2: v1(-4.275,2.45) -1.975,2.45 -1.825,2.3 R7.2@-1.075,2.3 ; R4.2@1.8,-11.45 1.807,-11.45 2.717,-10.54 C6.1@2.8,-10.54 ; U1.4@3.55,-8.9 3.55,-9.79 C6.1@2.8,-10.54 ; R3.2@3.8,-11.425 3.427,-11.052 3.42,-11.052 2.908,-10.54 C6.1@2.8,-10.54
  Top Layer w0.3: v1(-7.05,-14.986) R27.2@-7.05,-14.15 ; v1(-2.725,-5.2) -2.7,-5.225 R29.2@-2.1,-5.225 R28.2@-2.1,-5.975 ; v1(0.325,-11.525) 0.4,-11.45 R4.2@1.8,-11.45 ; R6.1@3.625,0.4 v1(3.625,1.1) ; R5.2@5.9,3.9 v1(7.25,3.9) ; Q2.4@16.673,-16.023 16.673,-16.8 v1(16.942,-17.069)
  Top Layer w0.5: R10.2@3.975,15.575 5.5,15.575 v1(6.15,16.225) ; R2.2@18.65,-7.75 v1(18.65,-6.9)
  Top Layer w0.6: v1(-17.055,-9.33) -18.22,-9.33 C9.2@-18.225,-9.325 -18.23,-9.33 C8.2@-19.275,-9.33 -19.275,-8.625 -17.95,-7.3 L3.2@-16.875,-7.3
  Bottom Layer w0.3: R11.2@-18.875,2.375 -18.885,2.365 C37.1@-18.885,1.375 -19.45,0.81 -19.45,-2.925 -18.275,-4.1 -18.275,-8.95 -17.895,-9.33 v1@-17.12,-9.33 ; D5.1@-17.225,-8.2 -17.225,-9.225 v1@-17.12,-9.33 ; v1(-17.055,-9.33) v1@-17.12,-9.33 ; v1(-7.2,-0.775) -7.2,-3.874 -7.2,-4.575 -6.85,-4.925 -5.625,-4.925 -5.3,-4.6 U4.3@-5.3,-3.875
  Bottom Layer w0.5: v1(6.15,16.225) 6.45,16.525 11.35,16.525 12.1,15.775 12.1,13.925 13.75,12.275 v1(13.75,5.35)
  other v1: -16.927,-10.558 -17.054,-9.941 -17.651,-9.314
\R\S\T\: C24.1 PL2.10 R2.1 SW1.1 SW1.2 U1.29 | length 70.2
  Top Layer w0.2: v1(-0.625,-6.675) U1.29@1.325,-6.675 ; v1(13.15,-7.475) 14.9,-7.475 15.55,-6.825 SW1.1@15.55,-5 ; SW1.2@15.55,1.2 SW1.1@15.55,-5 ; R2.1@17.75,-7.75 17.16,-7.75 16.95,-7.54 16.95,-5.225 16.725,-5 SW1.1@15.55,-5
  Bottom Layer w0.2: C24.1@-7.2,-10.335 -7.765,-10.335 -8.025,-10.075 -8.025,-8.394 -8.977,-7.442 -8.977,-0.873 -9.55,-0.3 -10.65,-0.3 -11.35,0.4 -11.35,2.506 -10.31,3.546 PL2.10@-10.145,3.546 -8.15,1.551 -8.15,-4.875 -7.55,-5.475 -4.294,-5.475 -3.386,-6.383 -3.367,-6.383 -3.361,-6.39 -3.337,-6.39 -3.333,-6.394 -3.306,-6.394 -3.304,-6.397 -3.274,-6.397 ; -3.273,-6.398 -3.146,-6.398 -2.869,-6.675 v1(-0.625,-6.675) 0.225,-6.675 3.475,-9.925 4.619,-9.925 5.684,-10.989 8.651,-10.989 9.351,-10.289 12.362,-10.289 13.15,-9.502 v1(13.15,-7.475)
A: U3.9 U5.25 | length 36.1
  Top Layer w0.2: v1(-4.582,6.365) -4.582,5.624 -4.323,5.365 -1.21,5.365 -0.907,5.062 -0.907,4.316 0.244,3.165 1.488,3.165 1.63,3.307 1.63,3.31 1.979,3.659 2.541,3.659 3.52,2.68 v1(3.52,2.505) ; v1@-1.55,14.6 -1.504,14.646 v1(-1.382,14.646)
  VCC w0.2: v1(-4.582,6.365) -4.582,7.229 -4.887,7.534 -4.887,8.626 -3.947,9.566 -3.399,9.566 -2.677,10.287 -2.677,14.085 -2.117,14.646 v1(-1.382,14.646)
  Bottom Layer w0.2: v1(-1.382,14.646) -0.451,14.646 U5.25@-0.4,14.595 ; U3.9@0.325,-2.4 0.325,-2.848 1.129,-3.652 2.744,-3.652 5.198,-1.199 5.198,-0.032 6.105,0.875 6.105,1.625 4.827,2.902 3.852,2.902 3.52,2.57 v1(3.52,2.505)
A0/SCL0: PL2.3 R28.1 U1.28 | length 18.4
  Top Layer w0.2: v1(-7.943,-12.295) -7.943,-11.682 -8.148,-11.477 -8.148,-10.077 -8.27,-9.954 -8.27,-8.415 -7.552,-7.698 -6.698,-7.698 -5.398,-6.398 -2.982,-6.398 -2.805,-6.575 -1.375,-6.575 -1.2,-6.4 R28.1@-1.2,-5.975 -0.544,-5.975 -0.344,-6.175 U1.28@1.325,-6.175
  Bottom Layer w0.2: PL2.3@-10.145,-14.234 -10.145,-13.74 -8.699,-12.295 v1(-7.943,-12.295)
A1/SDA0: PL2.2 R29.1 U1.27 | length 22.4
  Top Layer w0.2: v1(-8.5,-13.025) -8.5,-10.223 -8.623,-10.1 -8.623,-6.804 -6.273,-4.455 -1.544,-4.455 -1.2,-4.798 R29.1@-1.2,-5.225 -0.773,-5.225 -0.323,-5.675 U1.27@1.325,-5.675
  Bottom Layer w0.2: PL2.2@-10.145,-16.774 -8.5,-15.129 v1(-8.5,-13.025)
A2: PL2.1 U1.26 | length 25.8
  Top Layer w0.2: PL2.1@-10.145,-19.314 -9.064,-19.314 -8.852,-19.102 -8.852,-13.454 -9.052,-13.254 -9.052,-12.658 -8.852,-12.458 -8.852,-10.369 -8.975,-10.246 -8.975,-6.658 -6.419,-4.102 -1.398,-4.102 -0.325,-5.175 U1.26@1.325,-5.175
AVCC: C3.2 C4.1 L1.2 U1.18 | length 5.9
  Top Layer w0.2: U1.18@5.05,-3.95 5.05,-3.425 5.625,-2.85 C4.1@5.625,-2.41 7.115,-2.41 7.25,-2.275 7.25,-0.97 L1.2@6.48,-0.2
B: U3.8 U5.24 | length 29.9
  Top Layer w0.2: v1(-3.693,6.416) -3.693,5.957 -3.454,5.718 -1.065,5.718 -0.555,5.208 -0.555,4.461 0.389,3.517 1.34,3.517 1.834,4.011 2.794,4.011 4.45,2.355 v1(4.45,2.35)
  VCC w0.2: v1(-3.693,6.416) -3.693,7.102 -2.163,8.633 -2.163,13.408 v1(-1.738,13.833)
  Bottom Layer w0.2: U5.24@-1.85,13.3 -1.738,13.412 v1(-1.738,13.833) ; U5.24@-1.573,13.3 U5.24@-1.56,13.313 ; U3.8@0.975,-2.4 0.975,-3 1.275,-3.3 2.598,-3.3 4.845,-1.053 4.845,0.114 5.752,1.021 5.752,1.479 4.881,2.35 v1(4.45,2.35)
CLKIN: U1.12 U5.2 | length 16.3
  Top Layer w0.2: U1.12@6.275,-6.675 7.625,-6.675 v1(7.7,-6.75)
  Bottom Layer w0.2: U5.2@4.6,6.35 cw(c4.6,6.325) 4.625,6.325 4.625,4.6 ccw(c5.25,4.6) 5.25,3.975 cw(c5.25,1.525) 7.7,1.525 v1(7.7,-6.75)
CS: R5.1 U1.19 U5.3 | length 12.1
  Top Layer w0.2: v1(4.2,3.9) R5.1@5,3.9 5,3.893 5.925,2.968 5.925,1 5.567,0.642 5.567,-0.425 4.55,-1.442 U1.19@4.55,-3.95
  Bottom Layer w0.2: U5.3@4.1,6.35 4.1,4 v1(4.2,3.9)
CS_ENC: R7.1 U1.11 U3.21 | length 27.5
  Top Layer w0.2: v1(-4.325,-3.075) -4.325,-0.675 -1.975,1.675 -0.375,1.675 -0.175,1.875 R7.1@-0.175,2.3 -0.175,2.775 v1(-0.725,3.325) ; U1.11@6.275,-7.175 7.325,-7.175 v1(7.7,-7.55)
  Bottom Layer w0.2: v1(-4.325,-3.075) -3.4,-3.075 -0.18,-6.295 -0.175,-6.295 -0.165,-6.305 -0.147,-6.305 -0.139,-6.313 -0.118,-6.313 -0.113,-6.318 -0.089,-6.318 -0.085,-6.322 -0.059,-6.322 -0.058,-6.323 0.371,-6.323 3.621,-9.573 4.652,-9.573 6.675,-7.55 v1(7.7,-7.55) ; v1(-0.725,3.325) -0.325,2.925 U3.21@-0.325,2.4
D0/RXD: PL1.1 R26.2 U1.30 | length 32.9
  Top Layer w0.2: U1.30@1.325,-7.175 -0.344,-7.175 -0.396,-7.227 -1.773,-7.227 -2.05,-6.95 v1(-3.375,-6.95) -5.395,-6.95 -5.677,-7.232 -5.677,-8.268 -5.477,-8.468 -5.477,-10.652 -4.302,-11.827 -3.571,-11.827 -2.073,-13.326 -2.073,-16.607 -1.075,-17.605 -0.125,-17.605 -0.07,-17.55 8.411,-17.55 PL1.1@10.175,-19.314
  Bottom Layer w0.2: R26.2@-4.15,-6.625 -3.7,-6.625 v1(-3.375,-6.95)
D1/TXD: PL1.2 U1.31 U6.17 | length 31.3
  Top Layer w0.2: U1.31@1.325,-7.675 v1(-5.125,-7.675) -5.125,-10.506 -4.156,-11.475 -3.425,-11.475 -1.72,-13.18 -1.72,-16.461 -0.929,-17.252 -0.271,-17.252 -0.216,-17.198 8.522,-17.198 8.946,-16.774 PL1.2@10.175,-16.774
  Bottom Layer w0.2: v1(-5.125,-7.675) -5.125,-8.383 -4.96,-8.548 -4.752,-8.548 U6.17@-4.65,-8.65 ; PL1.2@9.844,-16.995 9.899,-17.05 PL1.2@10.175,-16.774
D2: D1.1 PL1.3 U1.1 | length 25.2
  Top Layer w0.2: v1(0.925,-9.15) 1.175,-8.9 U1.1@2.05,-8.9 ; PL1.3@10.175,-14.234 12.623,-14.234 12.954,-13.903 12.954,-10.008 13.31,-9.652 17.653,-9.652 17.885,-9.884 D1.1@17.885,-10.5
  Bottom Layer w0.2: v1(0.925,-9.15) 1.652,-9.15 4.548,-12.046 6.943,-12.046 9.131,-14.234 PL1.3@10.175,-14.234
D3: PL1.4 U1.32 | length 12.9
  Top Layer w0.2: v1(0.05,-8.375) 0.575,-8.375 0.775,-8.175 U1.32@1.325,-8.175
  Bottom Layer w0.2: v1(0.05,-8.375) 1.375,-8.375 4.694,-11.694 PL1.4@10.175,-11.694
D4/MOSI0: PL1.5 U1.15 | length 6.8
  Top Layer w0.2: U1.15@6.275,-5.175 8.275,-5.175 8.975,-5.875 8.975,-7.954 PL1.5@10.175,-9.154
D5/MISO0: PL1.6 U1.16 | length 4.8
  Top Layer w0.2: U1.16@6.275,-4.675 8.4,-4.675 10.175,-6.45 PL1.6@10.175,-6.614
D6/SCK0: PL1.7 U1.17 | length 4.7
  Top Layer w0.2: U1.17@5.55,-3.95 10.051,-3.95 PL1.7@10.175,-4.074
D7/SCL1: PL1.8 R3.1 U1.6 | length 24
  Top Layer w0.2: v1(4.4,-10.525) R3.1@3.8,-10.525 3.8,-10.177 4.55,-9.427 U1.6@4.55,-8.9
  Bottom Layer w0.2: v1(4.4,-10.525) 5.217,-11.342 8.797,-11.342 9.497,-10.642 12.508,-10.642 13.723,-9.427 13.723,-2.273 12.984,-1.534 PL1.8@10.175,-1.534
D8/SDA1: PL1.9 R4.1 U1.3 | length 36.5
  Top Layer w0.2: v1(1.2,-10.525) 1.225,-10.55 R4.1@1.8,-10.55 1.8,-10.075 1.945,-9.93 2.845,-9.93 3.05,-9.725 U1.3@3.05,-8.9
  Bottom Layer w0.2: v1(1.2,-10.525) 2.528,-10.525 4.402,-12.399 6.797,-12.399 9.748,-15.35 11.425,-15.35 14.075,-12.7 14.075,0.325 13.394,1.006 PL1.9@10.175,1.006
DIR: U1.13 U5.9 | length 37.9
  Top Layer w0.2: v1(0.897,4.851) 0.897,5.714 1.342,6.159 2.026,6.159 2.765,5.421 10.475,5.421 11.877,4.018 11.877,-9.921 11.221,-10.577 9.454,-10.577 8.748,-9.871 8.748,-8.946 8.27,-8.469 8.27,-6.395 8.05,-6.175 U1.13@6.275,-6.175
  Bottom Layer w0.2: v1(0.897,4.851) 0.952,4.906 0.952,5.482 1.1,5.63 U5.9@1.1,6.35